# Altium PCB X3_Developer_RF_Assemble_SMD_315_V7.4.2_Nov2023_1402.06.07.PcbDoc
Units mm, origin at the board's own origin, x right, y up, seen from the top; angles counter-clockwise.
Board outline 43.75 x 41.85 mm, 2 copper layers (Top Layer, Bottom Layer); 39 components, 0 nets, 103 pads, 0 vias.
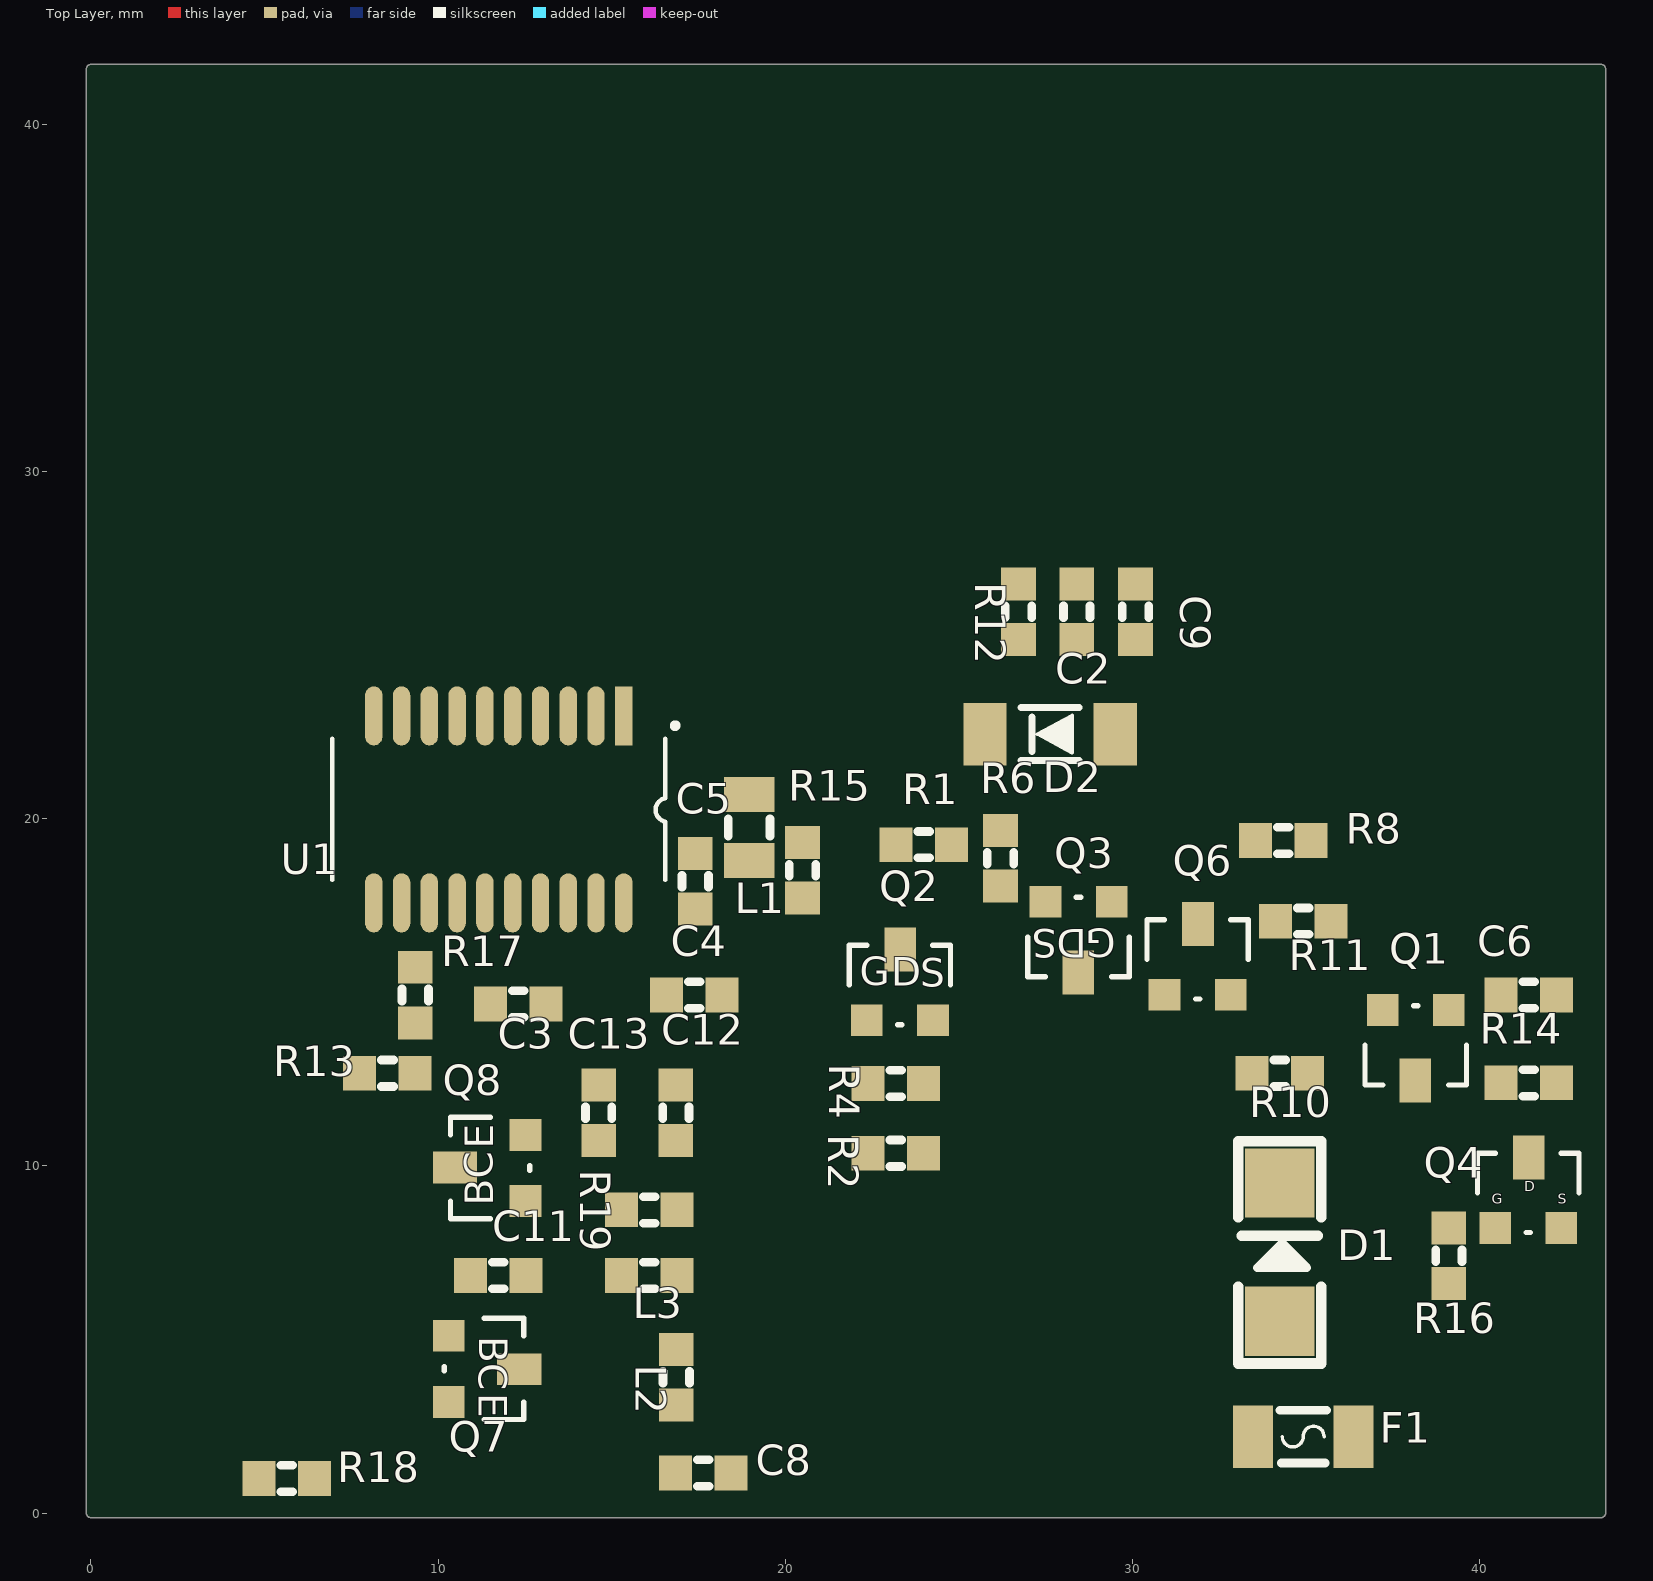
[diagram p0: Top Layer view]
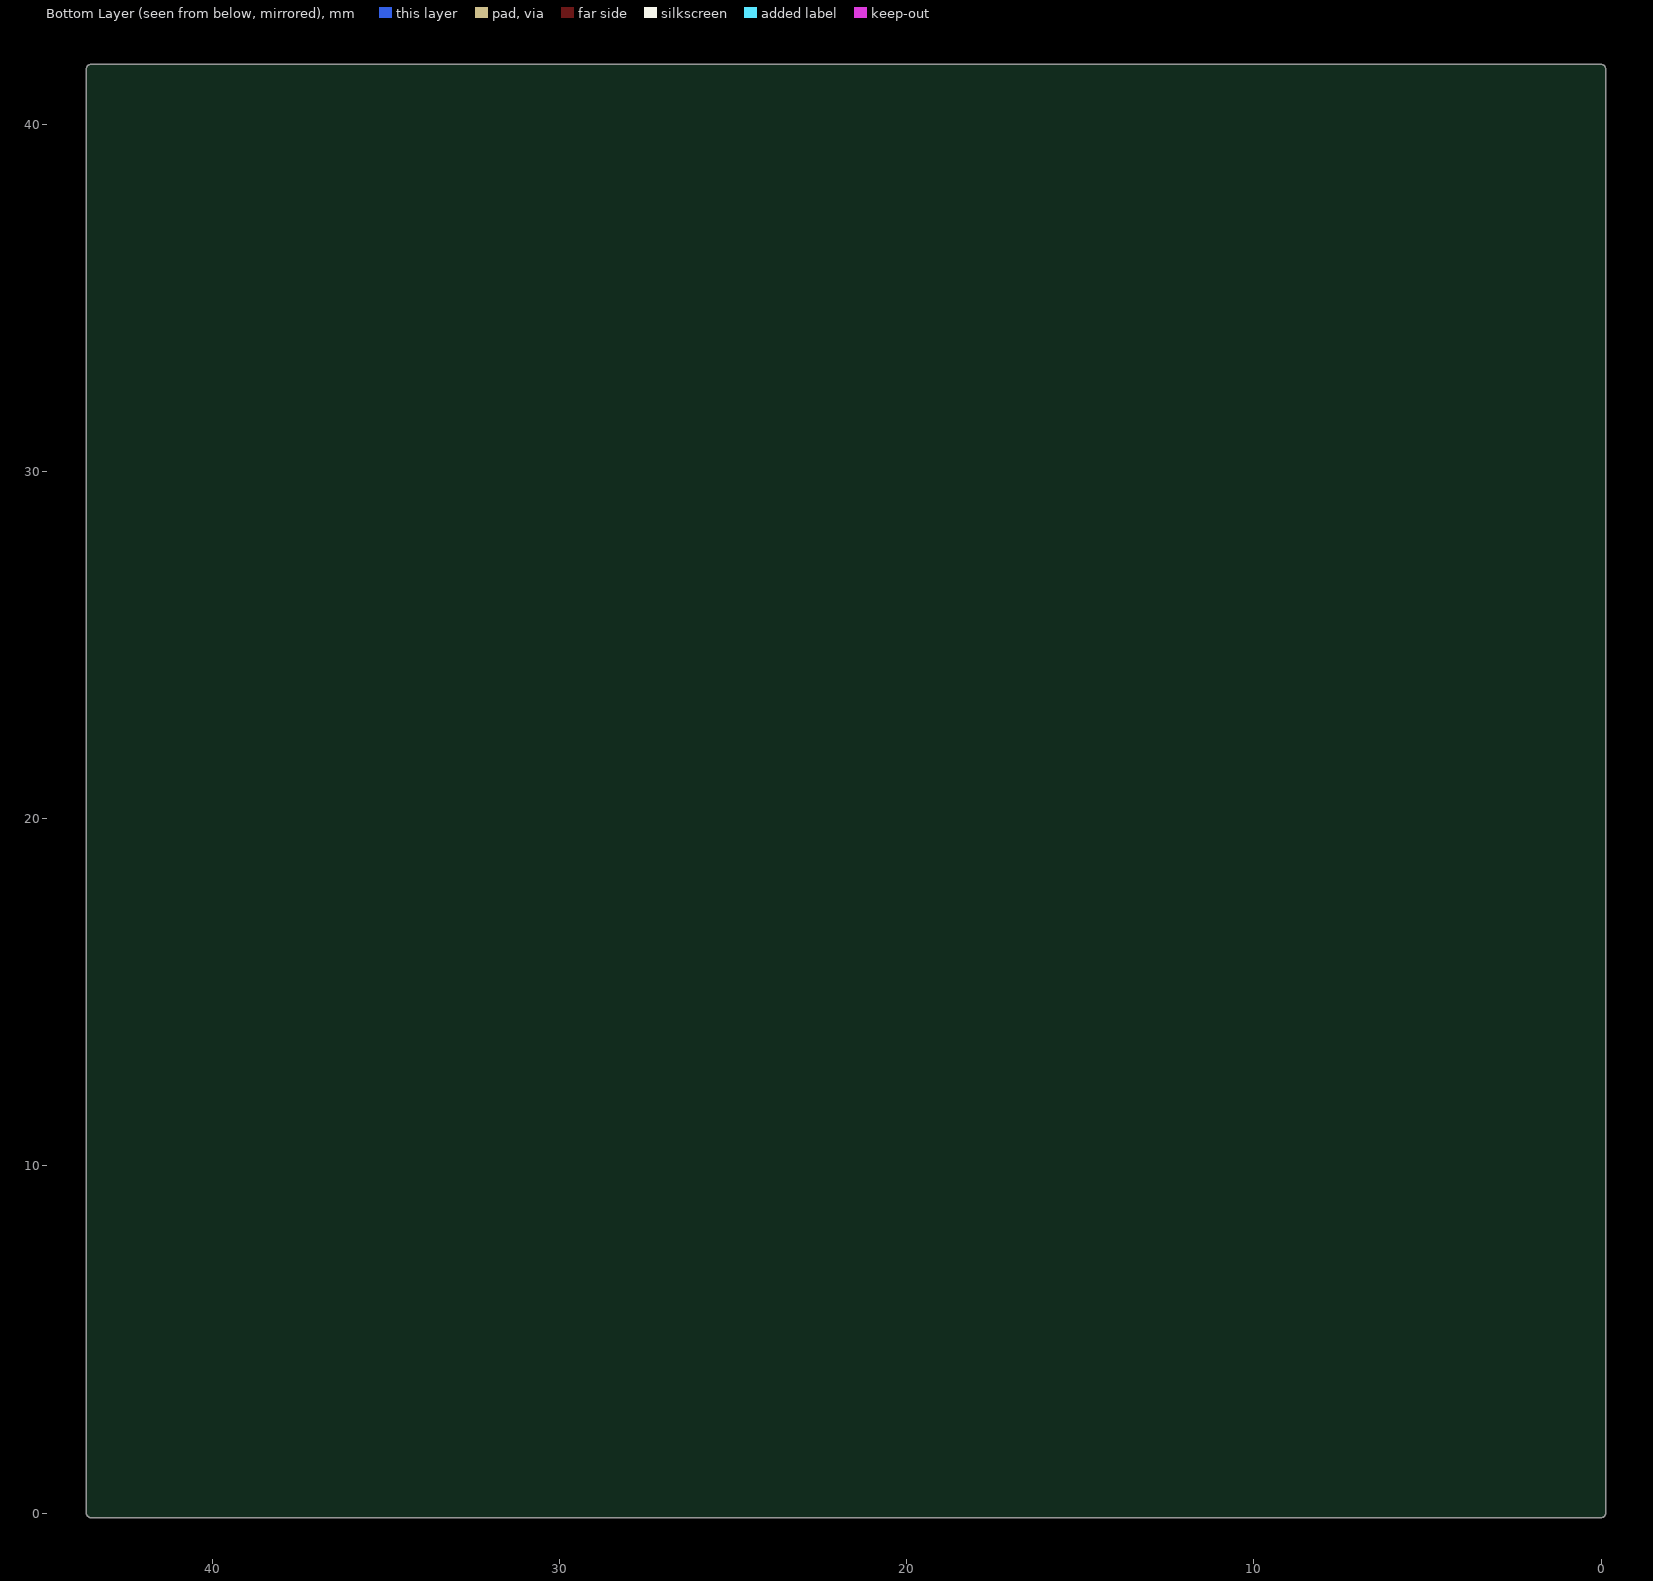
[diagram p1: Bottom Layer view, seen from below]

## Layer stack, top to bottom
Top Solder: solder mask 0.0102, Solder Resist, Dk 3.5
Top Layer: signal copper 0.0356
Dielectric 1: dielectric 0.32, FR-4, Dk 4.8
Bottom Layer: signal copper 0.0356
Bottom Solder: solder mask 0.0102, Solder Resist, Dk 3.5

## Board outline
-0.127,0 ccw(c0,0) 0,-0.127 43.5,-0.127 ccw(c43.5,0) 43.627,0 43.627,41.6 ccw(c43.5,41.6) 43.5,41.727 0,41.727 ccw(c0,41.6) -0.127,41.6

## Design rules (kind name [scope] priority, off if disabled: settings)
Clearance [All] p1: gap=0.254 ignorepadtopadclearanceinfootprint=TRUE except(0: Arc-Hole Track-Hole SMDPad-Hole THPad-Hole Via-Hole Fill-Hole Poly-Hole Region-Hole Text-Hole; 0.508: Arc-Poly Track-Poly SMDPad-Poly THPad-Poly Via-Poly Fill-Poly Poly-Poly Poly-Region Region-Region)
ComponentClearance [All] p1: gap=0 collisioncheckmode=3 verticalgap=0 showdistances=FALSE
HoleSize [All] p1: absolutevalues=TRUE maxlimit=5 minlimit=0.025 maxpercent=80.000 minpercent=20.000
HoleToHoleClearance [All] p1: gap=0 allowstackedmicrovias=TRUE
MinimumSolderMaskSliver [All] p1: minsoldermaskwidth=0
PolygonConnect [All] p1: thpad.connectstyle=Relief thpad.reliefconductorwidth=0.762 thpad.reliefentries=4 thpad.polygonreliefangle="90 Angle" thpad.airgapwidth=0.254 smdpad.connectstyle=Relief smdpad.reliefconductorwidth=0.508 smdpad.reliefentries=4 smdpad.polygonreliefangle="90 Angle" smdpad.airgapwidth=0.254 via.connectstyle=Direct via.reliefconductorwidth=0.254 via.reliefentries=4 via.polygonreliefangle="90 Angle" via.airgapwidth=0.254
RoutingVias [All] p1: holewidth=0.5 width=0.6 viastyle="Through Hole" minholewidth=0.5 minwidth=0.5 maxholewidth=5 maxwidth=2
ShortCircuit [All] p1: allowed=TRUE
SilkToSilkClearance [All] p1: silktosilkclearance=0
SilkToSolderMaskClearance [IsPad] p1: minsilkscreentomaskgap=0 clearancetoexposedcopper=TRUE
SolderMaskExpansion [All] p1: expansion=0.102 istentingtop=FALSE
UnRoutedNet [All] p1: checkbadconnections=TRUE
Width [All] p1: maxlimit=5.08 minlimit=0.254 preferedwidth=0.254
22 further rules are at their usual default settings.

## Classes and differential pairs
component class X3_Developer_RF: 1.1 .9 Y2

## Components (designator, comment, footprint, x,y, rotation, side; value= is the part's Value field where it differs from the comment)
C2 "100NF_0603_50V" CAP_0603_NOMINAL 28.398,25.966 r270 top
C3 "100NF_0603_50V" CAP_0603_NOMINAL 12.305,14.665 r0 top value=100nF
C4 "100NF_0603_50V" CAP_0603_NOMINAL 17.384,14.924 r180 top value=100nF
C5 "100NF_0603_50V" CAP_0603_NOMINAL 17.407,18.206 r90 top
C6 "100NF_0603_50V" CAP_0603_NOMINAL 41.414,14.924 r180 top value=100nF
C8 "4PF_0603_50V" CAP_0603_NOMINAL 17.644,1.154 r0 top value=4PF_0603
C9 "100NF_0603_50V" CAP_0603_NOMINAL 30.088,25.966 r270 top
C11 "12PF_0603_50V" CAP_0603_NOMINAL 11.732,6.846 r0 top value=12PF_0603
C12 "1UF_0603_25V" CAP_0603_NOMINAL 16.848,11.533 r90 top
C13 "100NF_0603_50V" CAP_0603_NOMINAL 14.626,11.533 r90 top
D1 "IN4007(M7)_SMA" DIODE_SMA 34.241,7.52 r90 top
D2 "1N4148_MINIMELF" DIODE_MINIMELF 27.63,22.438 r180 top
F1 "1A_1206" FUSE_1206_NOMINAL 34.92,2.207 r180 top
L1 "10UH_0805" INDUCTOR_0805_Nominal 18.961,19.75 r270 top
L2 "39NH_0603" INDUCTOR_0603_NOMINAL 16.861,3.921 r270 top
L3 "27NH_0603" INDUCTOR_0603_NOMINAL 16.086,6.846 r0 top
Q1 "LDTD143ELT1G(E6)_SOT23" SOT23 38.161,13.475 r180 top
Q2 "Si2302CDS_SOT23" SOT23_MOSFET 23.3,15.214 r0 top
Q3 "Si2302CDS(N2)_SOT23" SOT23_MOSFET 28.449,16.593 r180 top
Q4 "Si2302CDS_SOT23" SOT23_MOSFET 41.402,9.228 r0 top
Q6 "LDTD143ELT1G(E6)_SOT23" SOT23 31.877,15.951 r0 top
Q7 "MAR3356 (H7D)_SOT23" SOT23_BJT 11.324,4.156 r270 top
Q8 "SS8050(Y1)_SOT23" SOT23_BJT 11.502,9.943 r90 top
R1 "1K_0603" RES_0603_NOMINAL 23.987,19.255 r180 top value=120R
R2 "22K_0603" RES_0603_NOMINAL 23.187,10.368 r0 top value=120R
R4 "10K_0603" RES_0603_NOMINAL 23.187,12.375 r0 top value=120R
R6 "10K_0603" Res_0603_Nominal 26.2,18.869 r90 top
R8 "1K_0603" RES_0603_NOMINAL 34.342,19.377 r0 top value=120R
R10 "22K_0603" RES_0603_NOMINAL 34.241,12.671 r180 top value=120R
R11 "10K_0603" RES_0603_NOMINAL 34.92,17.052 r0 top
R12 "0.47K_0603" RES_0603_NOMINAL 26.718,25.966 r90 top
R13 "4.7K_0603" RES_0603_NOMINAL 8.543,12.671 r0 top
R14 "10K_0603" RES_0603_NOMINAL 41.414,12.394 r0 top value=1K
R15 "10K_0603" RES_0603_NOMINAL 20.498,18.517 r270 top value=1K
R16 "10K_0603" RES_0603_NOMINAL 39.114,7.412 r270 top value=120R
R17 "3.3K_0603" RES_0603_NOMINAL 9.343,14.924 r270 top
R18 "18K_0603_50V" RES_0603_NOMINAL 5.638,1 r0 top value=18K_0603
R19 "18K_0603_50V" RES_0603_NOMINAL 16.086,8.736 r180 top value=18K_0603
U1 "HT66F019_NSOP20" NSOP20 11.749,20.269 r270 top

## Footprints (in the part's own frame and the unit in brackets; to place one, negate y for a bottom-side part, rotate by r counter-clockwise, add the part's x,y. Pads: shape width x height; smd on the part's side, far side on the other; paste and mask are expansions set on the pad)
CAP_0603_NOMINAL [mm]
  rect 0.95x1 smd: 1(-0.8,0) 2(0.8,0)
  silkscreen extent -0.17,-0.38 0.17,0.38, body extent -0.8,-0.4 0.8,0.4, height 0.3
DIODE_MINIMELF [mm]
  rect 1.25x1.8 smd: 1(-1.875,0) 2(1.875,0)
  silkscreen extent -0.84,-0.76 0.84,0.76, body extent -1.82,-0.8 1.88,0.8, height 1.6
DIODE_SMA [mm]
  rect 2x2 smd: 1(-1.99,0) 2(1.99,0)
  silkscreen extent -3.21,-1.19 3.19,1.2, body extent -2.6,-1.3 2.6,1.3, height 2.45
FUSE_1206_NOMINAL [mm]
  rect 1.15x1.8 smd: 1(1.45,0) 2(-1.45,0)
  silkscreen extent -0.67,-0.76 0.67,0.76, body extent -1.7,-0.85 1.7,0.85, height 0.81
INDUCTOR_0603_NOMINAL [mm]
  rect 0.95x1 smd: 1(-0.8,0) 2(0.8,0)
  silkscreen extent -0.17,-0.38 0.17,0.38, body extent -0.8,-0.4 0.8,0.4, height 0.8
INDUCTOR_0805_Nominal [mm]
  rect 1x1.45 smd: 1(-0.95,0) 2(0.95,0)
  silkscreen extent -0.25,-0.6 0.25,0.6, body extent -1.1,-0.72 1.1,0.73, height 0.55
NSOP20 [mm]
  rect 1.7x0.5 smd: 1(-2.692,3.6)
  oval 1.7x0.5 smd: 2(-2.692,2.8) 3(-2.692,2) 4(-2.692,1.2) 5(-2.692,0.4) 6(-2.692,-0.4) 7(-2.692,-1.2) 8(-2.692,-2) 9(-2.692,-2.8) 10(-2.692,-3.6) 11(2.692,-3.6) 12(2.692,-2.8) 13(2.692,-2) 14(2.692,-1.2) 15(2.692,-0.4) 16(2.692,0.4) 17(2.692,1.2) 18(2.692,2) 19(2.692,2.8) 20(2.692,3.6)
  silkscreen extent -2.44,-4.8 2.03,5.11, body extent -3.01,-4.8 2.99,4.8, height 1.65
RES_0603_NOMINAL [mm]
  rect 0.95x1 smd: 1(-0.8,0) 2(0.8,0)
  silkscreen extent -0.17,-0.38 0.17,0.38, body extent -0.8,-0.42 0.84,0.43, height 0.26
Res_0603_Nominal [mm]
  rect 0.95x1 smd: 1(-0.8,0) 2(0.8,0)
  silkscreen extent -0.17,-0.38 0.17,0.38, body extent -0.8,-0.42 0.84,0.43, height 0.26
SOT23 [mil]
  rect 36x36 smd: 1(-37.5,-40) 2(37.5,-40)
  rect 36x50 smd: 3(0.5,40)
  silkscreen extent -57,-45 58,45, body extent -59,-49 59,49, height 42
SOT23_BJT [mil]
  rect 36x36 smd: 1(-37.5,-40) 2(37.5,-40)
  rect 36x50 smd: 3(0.5,40)
  silkscreen extent -57,-45 58,45, body extent -59,-49 59,49, height 42
SOT23_MOSFET [mil]
  rect 36x36 smd: 1(-37.5,-40) 2(37.5,-40)
  rect 36x50 smd: 3(0.5,40)
  silkscreen extent -58,-45 58,45, body extent -59,-49 59,49, height 42

## Part data
C2 C3 C4 C5 C6 C8 C9 C11 C12 C13: library part Cap
D1 D2: library part Diode
  D1: Component ID=000448
F1: library part FUSE
L1 L2 L3: library part Inductor
Q1 Q6: library part NPN_Digital, Component ID=000498
Q2 Q3 Q4: library part MOSFET_N, ComponentLink1Description="Manufacturer Link", ComponentLink1URL=http://www.irf.com/, ComponentLink2Description=Datasheet, ComponentLink2URL=http://www.irf.com/product-info/datasheets/data/irf2807.pdf, DatasheetVersion=May-1998, LatestRevisionDate=17-Jul-2002, LatestRevisionNote="Re-released for DXP Platform.", Note="Pin 2 is electrically connected to pin 4.", PackageDescription="TO, Thru-Hole, Vertical, Heatsink Mounted; 3 In-Line Leads; Pitch 2.54 mm", PackageReference=TO-220AB, PackageVersion=Feb-1997, Published=8-Jun-2000, Publisher="Altium Limited", Sim Note="Thermal Model provided is not called on from main Subckt."
  Q3: Component ID=002048
Q7 Q8: library part NPN
R1 R2 R4 R6 R8 R10 R11 R12 R13 R14 R15 R16 R17 R18 R19: library part RES
  R6 R11: Component ID=000091
  R13: Component ID=000098
  R17: Component ID=000154
U1: library part HT66F019

## Nets (pads, with @x,y where several pads share a name; then routed paths per layer and width w, separated by ;. In a path a pad name is that pad's centre, name@x,y a point inside that pad or via, vN(x,y) a via of type N, cw(c..) or ccw(c..) an arc to the next point about the centre after c; other vN are vias at no path point)
pads on no net: C2.1 C2.2 C3.1 C3.2 C4.1 C4.2 C5.1 C5.2 C6.1 C6.2 C8.1 C8.2 C9.1 C9.2 C11.1 C11.2 C12.1 C12.2 C13.1 C13.2 D1.1 D1.2 D2.1 D2.2 F1.1 F1.2 L1.1 L1.2 L2.1 L2.2 L3.1 L3.2 Q1.1 Q1.2 Q1.3 Q2.1 Q2.2 Q2.3 Q3.1 Q3.2 Q3.3 Q4.1 Q4.2 Q4.3 Q6.1 Q6.2 Q6.3 Q7.1 Q7.2 Q7.3 Q8.1 Q8.2 Q8.3 R1.1 R1.2 R2.1 R2.2 R4.1 R4.2 R6.1 R6.2 R8.1 R8.2 R10.1 R10.2 R11.1 R11.2 R12.1 R12.2 R13.1 R13.2 R14.1 R14.2 R15.1 R15.2 R16.1 R16.2 R17.1 R17.2 R18.1 R18.2 R19.1 R19.2 U1.1 U1.2 U1.3 U1.4 U1.5 U1.6 U1.7 U1.8 U1.9 U1.10 U1.11 U1.12 U1.13 U1.14 U1.15 U1.16 U1.17 U1.18 U1.19 U1.20

## Text inside footprints (layer, text, board x,y; h text height)
Q2: Top Overlay "D" at 23.056,14.917 h1.4; Top Overlay "S" at 23.894,14.895 h1.4; Top Overlay "G" at 22.152,14.932 h1.4
Q3: Top Overlay "D" at 28.679,17.099 h1.4 r180; Top Overlay "S" at 27.825,17.088 h1.4 r180; Top Overlay "G" at 29.524,17.1 h1.4 r180
Q4: Top Overlay "D" at 41.287,9.169 h0.5; Top Overlay "S" at 42.252,8.813 h0.5; Top Overlay "G" at 40.347,8.813 h0.5
Q7: Top Overlay "B" at 10.907,5.103 h1.4 r270; Top Overlay "E" at 10.9,3.454 h1.4 r270; Top Overlay "C" at 10.9,4.32 h1.4 r270
Q8: Top Overlay "B" at 11.866,8.861 h1.4 r90; Top Overlay "E" at 11.858,10.495 h1.4 r90; Top Overlay "C" at 11.85,9.628 h1.4 r90